# Altium PCB Stand.PcbDoc (part 1 of 3)
Units mm, origin at the board's own origin, x right, y up, seen from the top; angles counter-clockwise.
Board outline 102 x 143 mm, 2 copper layers (Top Layer, Bottom Layer), stack 1.571 mm thick; 426 components, 267 nets, 1118 pads, 182 vias.
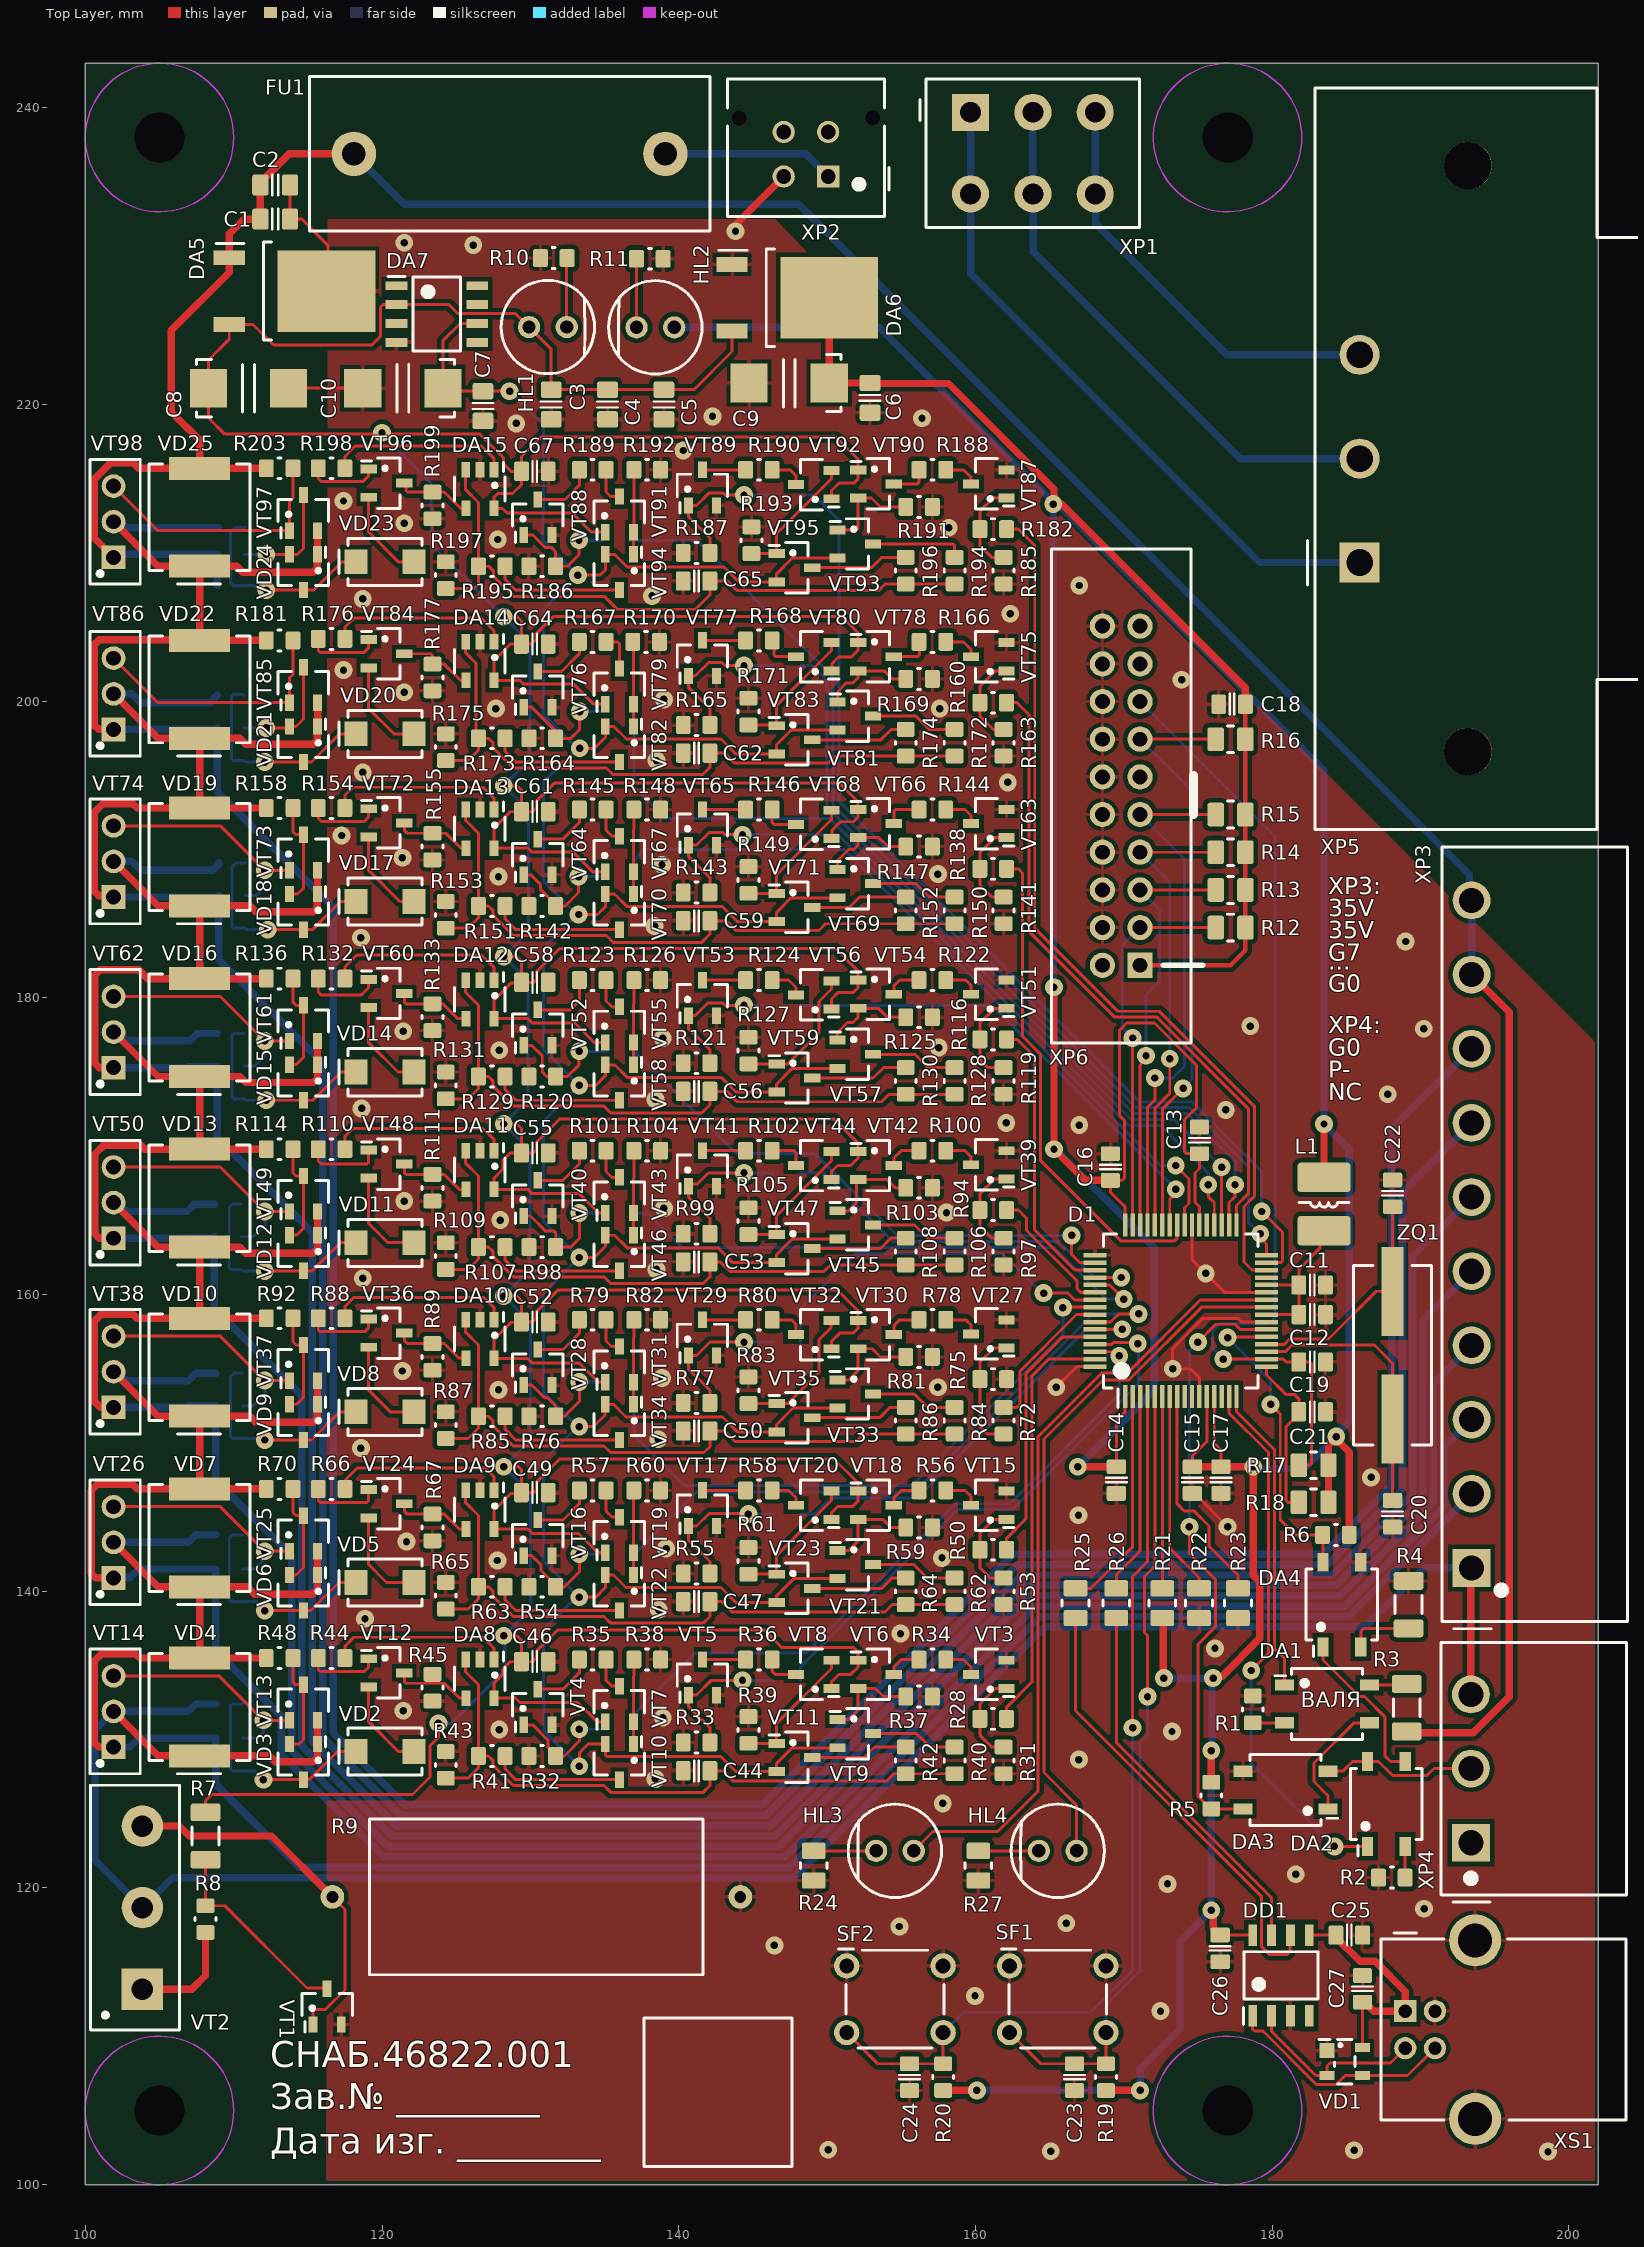
[diagram p0: Top Layer view]
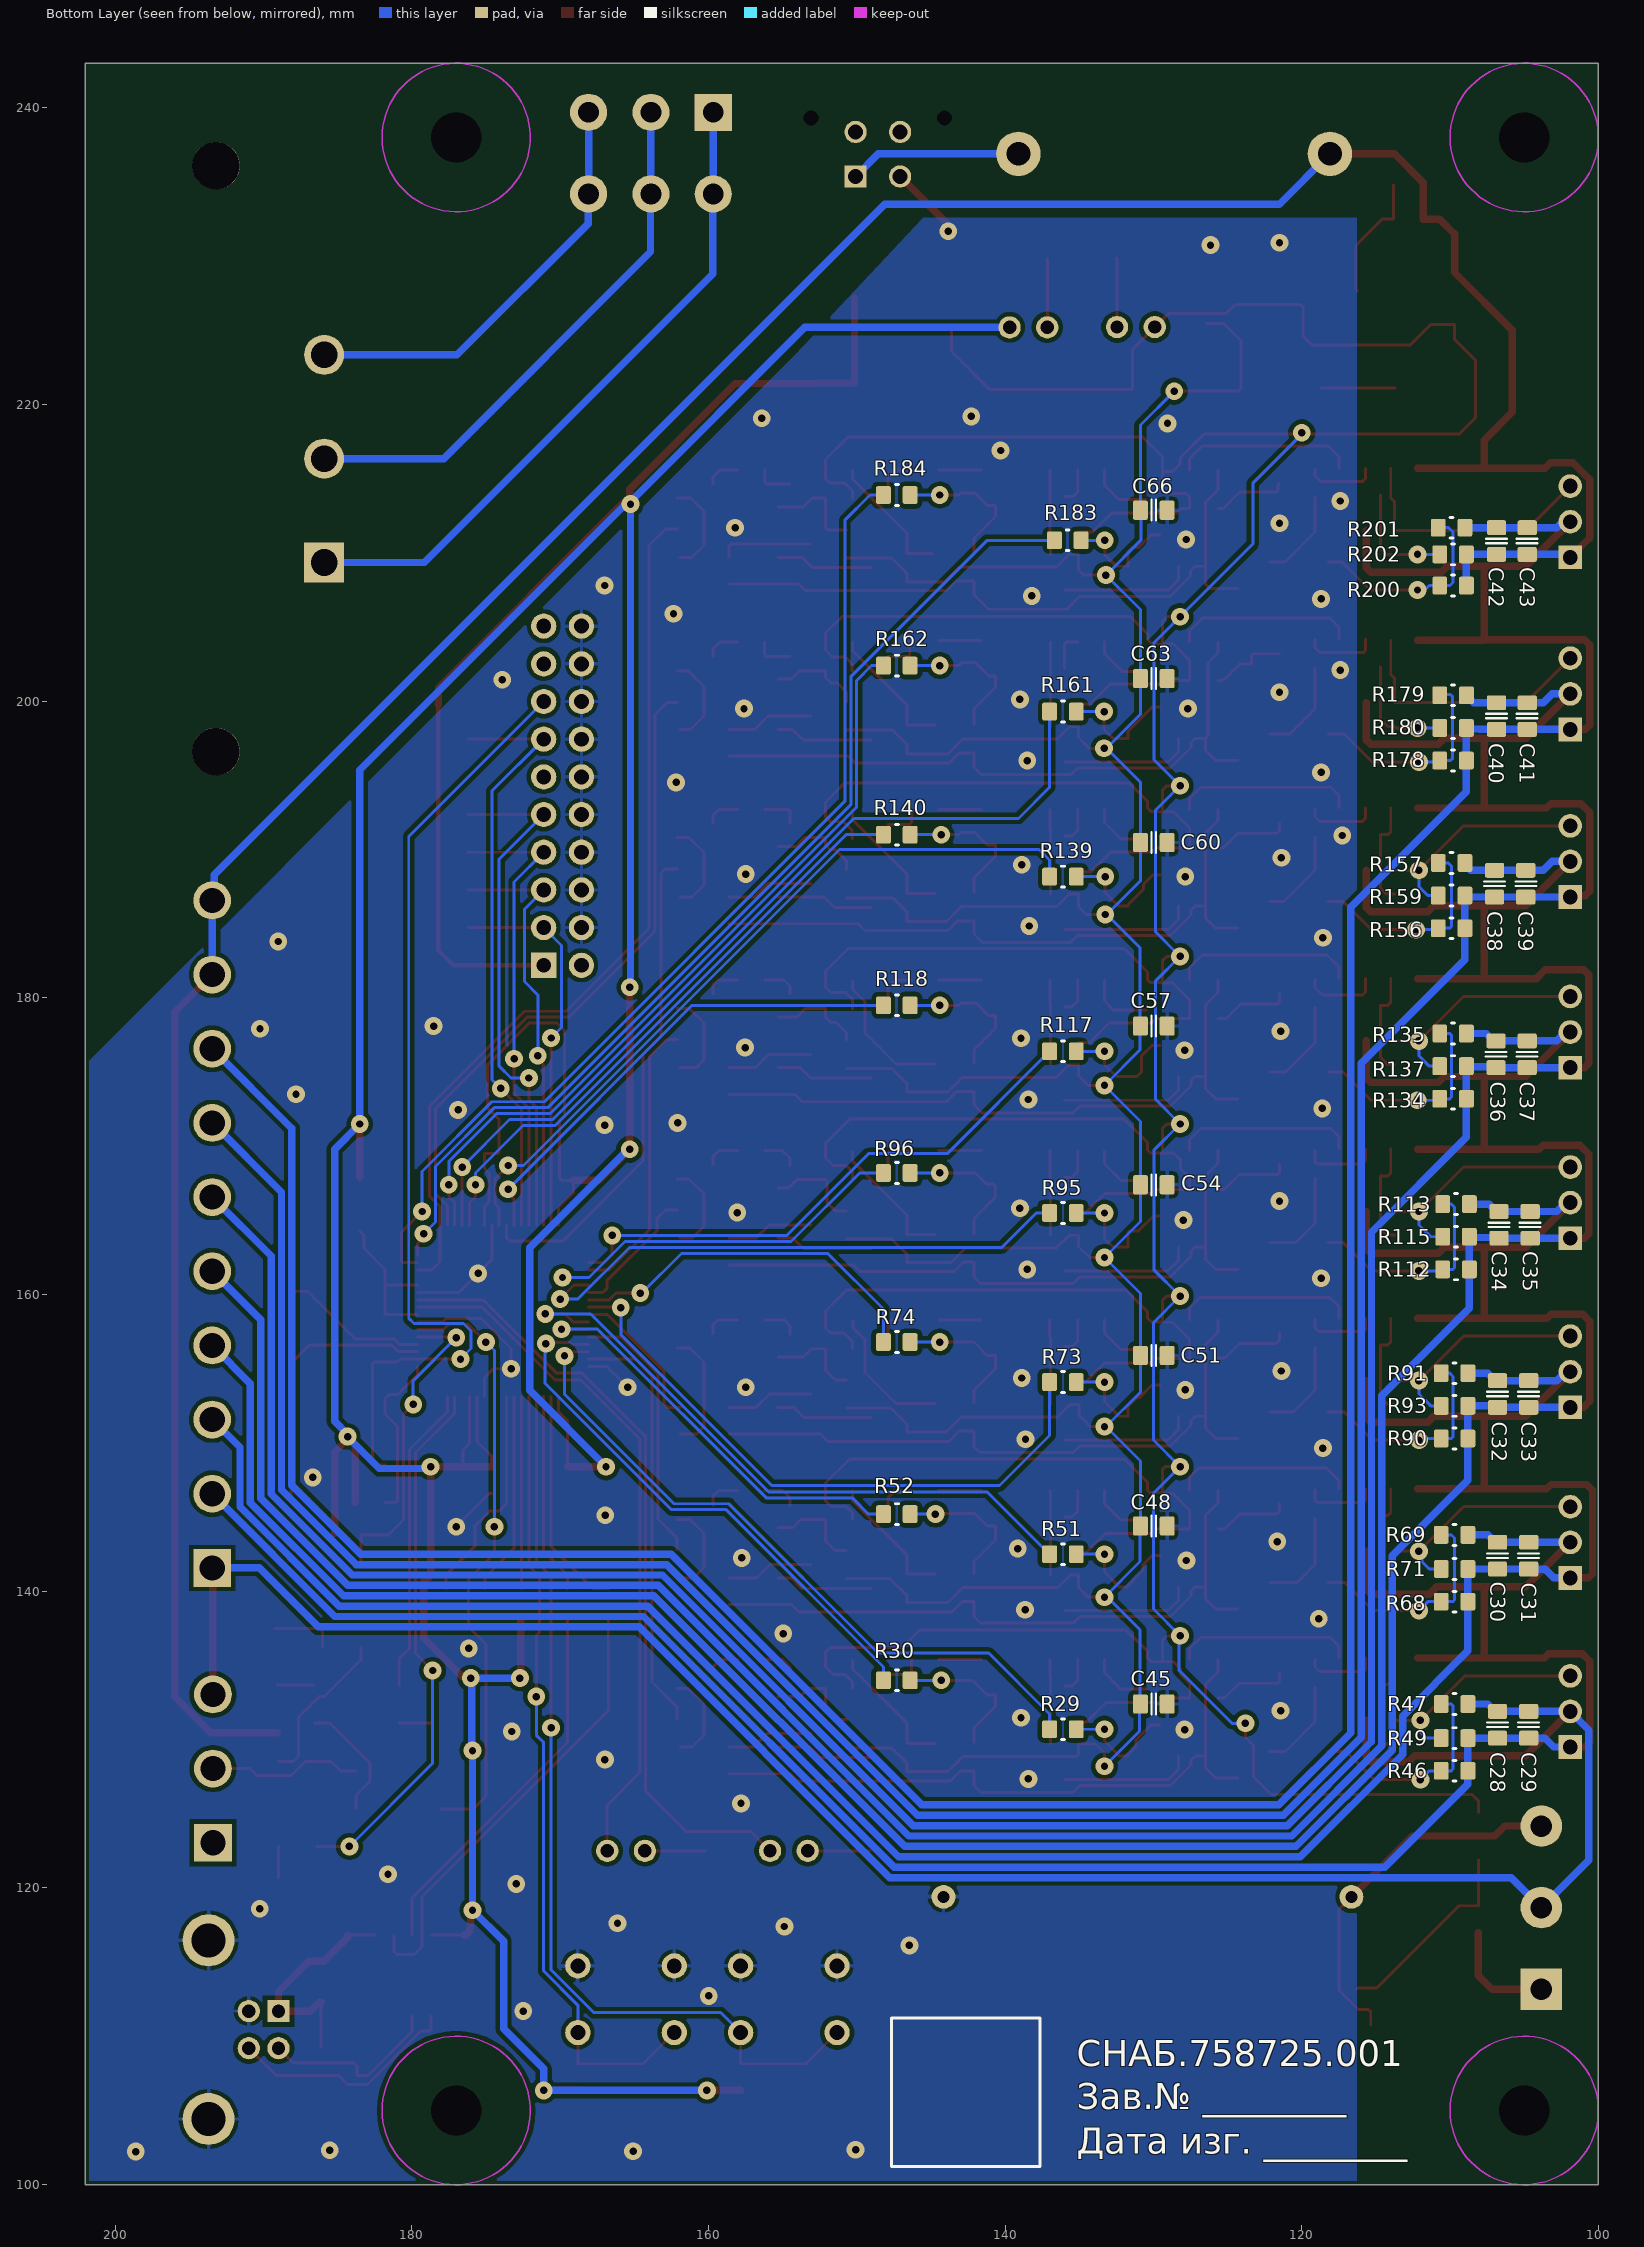
[diagram p1: Bottom Layer view, seen from below]

## Layer stack, top to bottom
Top Solder: solder mask 0.0102, Solder Resist, Dk 3.5
Top Layer: signal copper 0.0356
Dielectric 1: dielectric 1.5, FR-4, Dk 4.8
Bottom Layer: signal copper 0.0356
Bottom Solder: solder mask 0.0102, Solder Resist, Dk 3.5

## Board outline
100,100 100,243 202,243 202,100

## Design rules (kind name [scope] priority, off if disabled: settings)
BoardOutlineClearance [All] p1: gap=0.25 ignorepadtopadclearanceinfootprint=FALSE except(0: Arc-SplitContinuation Track-SplitContinuation SMDPad-SplitContinuation THPad-SplitContinuation Via-SplitContinuation Fill-SplitContinuation Poly-SplitContinuation Region-SplitContinuation Text-SplitContinuation)
Clearance Clearance_1 [InPoly] p1: gap=0.3 ignorepadtopadclearanceinfootprint=FALSE except(0: Arc-Hole Track-Hole SMDPad-Hole THPad-Hole Via-Hole Fill-Hole Poly-Hole Region-Hole Text-Hole)
Clearance [All] p2: gap=0.2 ignorepadtopadclearanceinfootprint=FALSE except(0: Arc-Hole Track-Hole SMDPad-Hole THPad-Hole Via-Hole Fill-Hole Poly-Hole Region-Hole Text-Hole)
Height [All] p1 off: minheight=0 maxheight=25.4 prefheight=12.7
MinimumSolderMaskSliver [All] p1 off: minsoldermaskwidth=0.254
PolygonConnect PolygonConnect_Via [IsPoly vs IsVia] p1: connectstyle=Direct reliefconductorwidth=0.25 reliefentries=4 polygonreliefangle="90 Angle" airgapwidth=0.25
PolygonConnect [All] p2: connectstyle=Relief reliefconductorwidth=0.254 reliefentries=4 polygonreliefangle="90 Angle" airgapwidth=0.254
RoutingVias [All] p1: holewidth=0.5 width=1.2 viastyle="Through Hole" minholewidth=0.5 minwidth=1.2 maxholewidth=0.5 maxwidth=1.2
SolderMaskExpansion [All] p1: expansion=0.102 istentingtop=FALSE
UnRoutedNet [All] p1: checkbadconnections=TRUE
Width [All] p1: maxlimit=0.5 minlimit=0.2 preferedwidth=0.25 minimp=50.000000 maximp=50.000000 favimp=50.000000
27 further rules are at their usual default settings.

## Classes and differential pairs
component class Power: C2 C3 C4 C5 C6 C7 C8 C9 C10 DA5 DA6 DA7 HL1 HL2 R10 R11
component class Mode: DA1 DA2 DA3 DA4 R1 R2 R3 R4 R5 R6 R7 R8 R9 VT1 VT2
component class MCU: C11 C12 C13 C14 C15 C16 C17 C18 C19 C20 C21 C22 C23 C24 D1 HL3 HL4 L1 R12 R13 R14 R15 R16 R17 R18 R19 R20 R21 R22 R23 R24 R25 R26 R27 SF1 SF2 XP6 ZQ1 ф
component class Interface: C25 C26 C27 DD1 VD1 XS1
component class Conn: C1 FU1 XP1 XP2 XP3 XP5
component class BI8: C42 C43 C65 C66 C67 DA15 R182 R183 R184 R185 R186 R187 R188 R189 R190 R191 R192 R193 R194 R195 R196 R197 R198 R199 R200 R201 R202 R203 VD23 VD24 VD25 VT87 VT88 VT89 VT90 VT91 VT92 VT93 VT94 VT95 VT96 VT97 VT98
component class BI7: aa C40 C41 C62 C63 C64 DA14 R160 R161 R162 R163 R164 R165 R166 R167 R168 R169 R170 R171 R172 R173 R174 R175 R176 R177 R178 R179 R180 R181 VD20 VD21 VD22 VT75 VT76 VT77 VT78 VT79 VT80 VT81 VT82 VT83 VT84 VT85 VT86
component class BI6: C38 C39 C59 C60 C61 DA13 R138 R139 R140 R141 R142 R143 R144 R145 R146 R147 R148 R149 R150 R151 R152 R153 R154 R155 R156 R157 R158 R159 VD17 VD18 VD19 VT63 VT64 VT65 VT66 VT67 VT68 VT69 VT70 VT71 VT72 VT73 VT74
component class BI5: C36 C37 C56 C57 C58 DA12 R116 R117 R118 R119 R120 R121 R122 R123 R124 R125 R126 R127 R128 R129 R130 R131 R132 R133 R134 R135 R136 R137 VD14 VD15 VD16 VT51 VT52 VT53 VT54 VT55 VT56 VT57 VT58 VT59 VT60 VT61 VT62
component class BI4: C34 C35 C53 C54 C55 DA11 R94 R95 R96 R97 R98 R99 R100 R101 R102 R103 R104 R105 R106 R107 R108 R109 R110 R111 R112 R113 R114 R115 VD11 VD12 VD13 VT39 VT40 VT41 VT42 VT43 VT44 VT45 VT46 VT47 VT48 VT49 VT50
component class BI3: C32 C33 C50 C51 C52 DA10 R72 R73 R74 R75 R76 R77 R78 R79 R80 R81 R82 R83 R84 R85 R86 R87 R88 R89 R90 R91 R92 R93 VD8 VD9 VD10 VT27 VT28 VT29 VT30 VT31 VT32 VT33 VT34 VT35 VT36 VT37 VT38
component class BI2: C30 C31 C47 C48 C49 DA9 R50 R51 R52 R53 R54 R55 R56 R57 R58 R59 R60 R61 R62 R63 R64 R65 R66 R67 R68 R69 R70 R71 VD5 VD6 VD7 VT15 VT16 VT17 VT18 VT19 VT20 VT21 VT22 VT23 VT24 VT25 VT26
component class BI1: C28 C29 C44 C45 C46 DA8 R28 R29 R30 R31 R32 R33 R34 R35 R36 R37 R38 R39 R40 R41 R42 R43 R44 R45 R46 R47 R48 R49 VD2 VD3 VD4 VT3 VT4 VT5 VT6 VT7 VT8 VT9 VT10 VT11 VT12 VT13 VT14

## Components (designator, comment, footprint, x,y, rotation, side; value= is the part's Value field where it differs from the comment)
C1 "*" С0805 112.8,232.5 r180 top
C2 "*" С0805 112.8,234.8 r180 top
C3 "*" С0805 131.4,220 r90 top
C4 "*" С0805 135.2,220 r90 top
C5 "*" С0805 139,220 r90 top
C6 "*" С0805 152.9,220.45 r90 top
C7 "*" С0805 126.8,219.9 r90 top
C8 "C-Type" "C_tant 3(С-type)" 111,221.1 r0 top
C9 "C-Type" "C_tant 3(С-type)" 147.45,221.45 r180 top
C10 "C-Type" "C_tant 3(С-type)" 121.4,221.1 r180 top
C11 "*" C0603 182.7,160.65 r180 top
C12 "*" C0603 182.7,158.65 r180 top
C13 "*" C0603 175.1,170.4 r270 top
C14 "*" C0603 169.5,147.5 r90 top
C15 "*" C0603 174.625,147.5 r90 top
C16 "*" C0603 169.1,168.6 r270 top
C17 "*" C0603 176.55,147.5 r90 top
C18 "*" C0603 177.3,199.8 r0 top
C19 "*" C0603 182.7,155.45 r180 top
C20 "*" C0603 188.125,145.225 r90 top
C21 "*" C0603 182.7,152.1 r180 top
C22 "*" C0603 188.125,166.825 r270 top
C23 "*" C0603 166.675,107.25 r90 top
C24 "*" C0603 155.55,107.25 r90 top
C25 "*" C0603 185.2,116.825 r180 top
C26 "*" C0603 176.5,115.925 r90 top
C27 "*" C0603 186.1,113.2 r270 top
C28 "0.1μF" C0603 106.8,131 r270 bottom
C29 "1nF" C0603 104.7,131 r270 bottom
C30 "0.1μF" C0603 106.8,142.4 r270 bottom
C31 "1nF" C0603 104.7,142.4 r270 bottom
C32 "0.1μF" C0603 106.8,153.3 r270 bottom
C33 "1nF" C0603 104.7,153.3 r270 bottom
C34 "0.1μF" C0603 106.7,164.7 r270 bottom
C35 "1nF" C0603 104.6,164.7 r270 bottom
C36 "0.1μF" C0603 106.9,176.2 r270 bottom
C37 "1nF" C0603 104.8,176.2 r270 bottom
C38 "0.1μF" C0603 107,187.7 r270 bottom
C39 "1nF" C0603 104.9,187.7 r270 bottom
C40 "0.1μF" C0603 106.867,199 r270 bottom
C41 "1nF" C0603 104.8,199 r270 bottom
C42 "0.1μF" C0603 106.867,210.8 r270 bottom
C43 "1nF" C0603 104.8,210.8 r270 bottom
C44 "*" C0603 141.2,127.9 r0 top
C45 "*" C0603 129.975,132.4 r0 bottom
C46 "*" C0603 130.3,135.25 r180 top
C47 "*" C0603 141.2,139.3 r0 top
C48 "*" C0603 129.975,144.4 r0 bottom
C49 "*" C0603 130.3,146.65 r180 top
C50 "*" C0603 141.2,150.8 r0 top
C51 "*" C0603 129.975,155.9 r0 bottom
C52 "*" C0603 130.3,158.15 r180 top
C53 "*" C0603 141.2,162.2 r0 top
C54 "*" C0603 129.975,167.4 r0 bottom
C55 "*" C0603 130.3,169.55 r180 top
C56 "*" C0603 141.2,173.7 r0 top
C57 "*" C0603 129.975,178.1 r0 bottom
C58 "*" C0603 130.3,181.05 r180 top
C59 "*" C0603 141.2,185.2 r0 top
C60 "*" C0603 129.975,190.475 r0 bottom
C61 "*" C0603 130.3,192.55 r180 top
C62 "*" C0603 141.2,196.5 r0 top
C63 "*" C0603 129.975,201.525 r0 bottom
C64 "*" C0603 130.3,203.85 r180 top
C65 "*" C0603 141.2,208.1 r0 top
C66 "*" C0603 129.975,212.875 r0 bottom
C67 "*" C0603 130.3,215.5 r180 top
D1 "К1986ВЕ92Q" LQFP64 173.85,158.9 r90 top
DA1 "PRAB30S" SOP-4 183.7,132.405 r0 top
DA2 "PRAB30S" SOP-4 187.7,125.665 r90 top
DA3 "PRAB30S" SOP-4 180.9,126.6 r180 top
DA4 "PRAB30S" SOP-4 184.7,139.1 r90 top
DA5 "78D12L" DPAK 114.1,227.65 r270 top
DA6 "LD1117DT 3.3V" DPAK 148,227.2 r270 top
DA7 "REF193 3V" "SOP-8 (SOIC)" 123.7,226.1 r0 top
DA8 "TS321ILT" SOT-23-5 126.6,134.1 r270 top
DA9 "TS321ILT" SOT-23-5 126.6,145.5 r270 top
DA10 "TS321ILT" SOT-23-5 126.6,157 r270 top
DA11 "TS321ILT" SOT-23-5 126.6,168.4 r270 top
DA12 "TS321ILT" SOT-23-5 126.6,179.9 r270 top
DA13 "TS321ILT" SOT-23-5 126.6,191.4 r270 top
DA14 "TS321ILT" SOT-23-5 126.6,202.7 r270 top
DA15 "TS321ILT" SOT-23-5 126.6,214.3 r270 top
DD1 "CH340N" "SOP-8 (SOIC)" 180.6,114.1 r90 top
FU1 "FH-101C" FH-101C 128.6,236.9 r180 top
HL1 "LED" "LED 5mm (L-7113IT)" 131.18,225.225 r180 top
HL2 "LED" "LED 5mm (L-7113IT)" 138.425,225.2 r0 top
HL3 "LED" "LED 5mm (L-7113IT)" 154.575,122.5 r0 top
HL4 "LED" "LED 5mm (L-7113IT)" 165.55,122.5 r0 top
L1 "LQH43MN331K" "LQH43M (1812)" 183.5,166.1 r90 top
R1 "*" R0603 178.7,132.035 r270 top
R2 "*" R0603 188.07,120.7 r0 top
R3 "*" R1206 189.075,132.15 r270 top
R4 "*" R1206 189.2,139.1 r270 top
R5 "*" R0603 175.9,126.23 r90 top
R6 "*" R0603 184.3,143.8 r0 top
R7 "6,8К" R1206 108.1,123.5 r90 top
R8 "100" R0603 108.1,117.9 r270 top
R9 "68" "SQP 5W" 130.4,119.4 r180 top
R10 "*" R0603 131.575,229.875 r0 top
R11 "*" R0603 138.05,229.825 r180 top
R12 "*" R0805 177.2,184.74 r0 top
R13 "*" R0805 177.2,187.28 r0 top
R14 "*" R0805 177.2,189.82 r0 top
R15 "*" R0805 177.2,192.36 r0 top
R16 "*" R0805 177.2,197.44 r0 top
R17 "*" R0805 182.8,148.5 r0 top
R18 "*" R0805 182.8,146 r0 top
R19 "*" R0603 168.8,107.25 r90 top
R20 "*" R0603 157.825,107.25 r90 top
R21 "*" R0805 172.6,139.2 r270 top
R22 "*" R0805 175.075,139.2 r270 top
R23 "*" R0805 177.7,139.2 r270 top
R24 "*" R0805 149.1,121.5 r90 top
R25 "*" R0805 166.75,139.2 r270 top
R26 "*" R0805 169.5,139.2 r270 top
R27 "*" R0805 160.2,121.5 r90 top
R28 "*" R0603 161.2,131.4 r180 top
R29 "*" R0603 136.1,130.7 r180 bottom
R30 "*" R0603 147.3,134 r180 bottom
R31 "*" R0603 161.9,128.6 r90 top
R32 "*" R0603 130.8,128.9 r0 top
R33 "*" R0603 141.2,129.8 r0 top
R34 "*" R0603 157.1,135.4 r180 top
R35 "*" R0603 134.2,135.4 r0 top
R36 "*" R0603 145.4,135.4 r0 top
R37 "*" R0603 156.2,132.9 r180 top
R38 "*" R0603 137.875,135.4 r180 top
R39 "*" R0603 144.7,130.65 r270 top
R40 "*" R0603 158.6,128.6 r270 top
R41 "*" R0603 127.4,128.9 r180 top